# Allegro board 8880F5-0823__zarif.brd (continued)
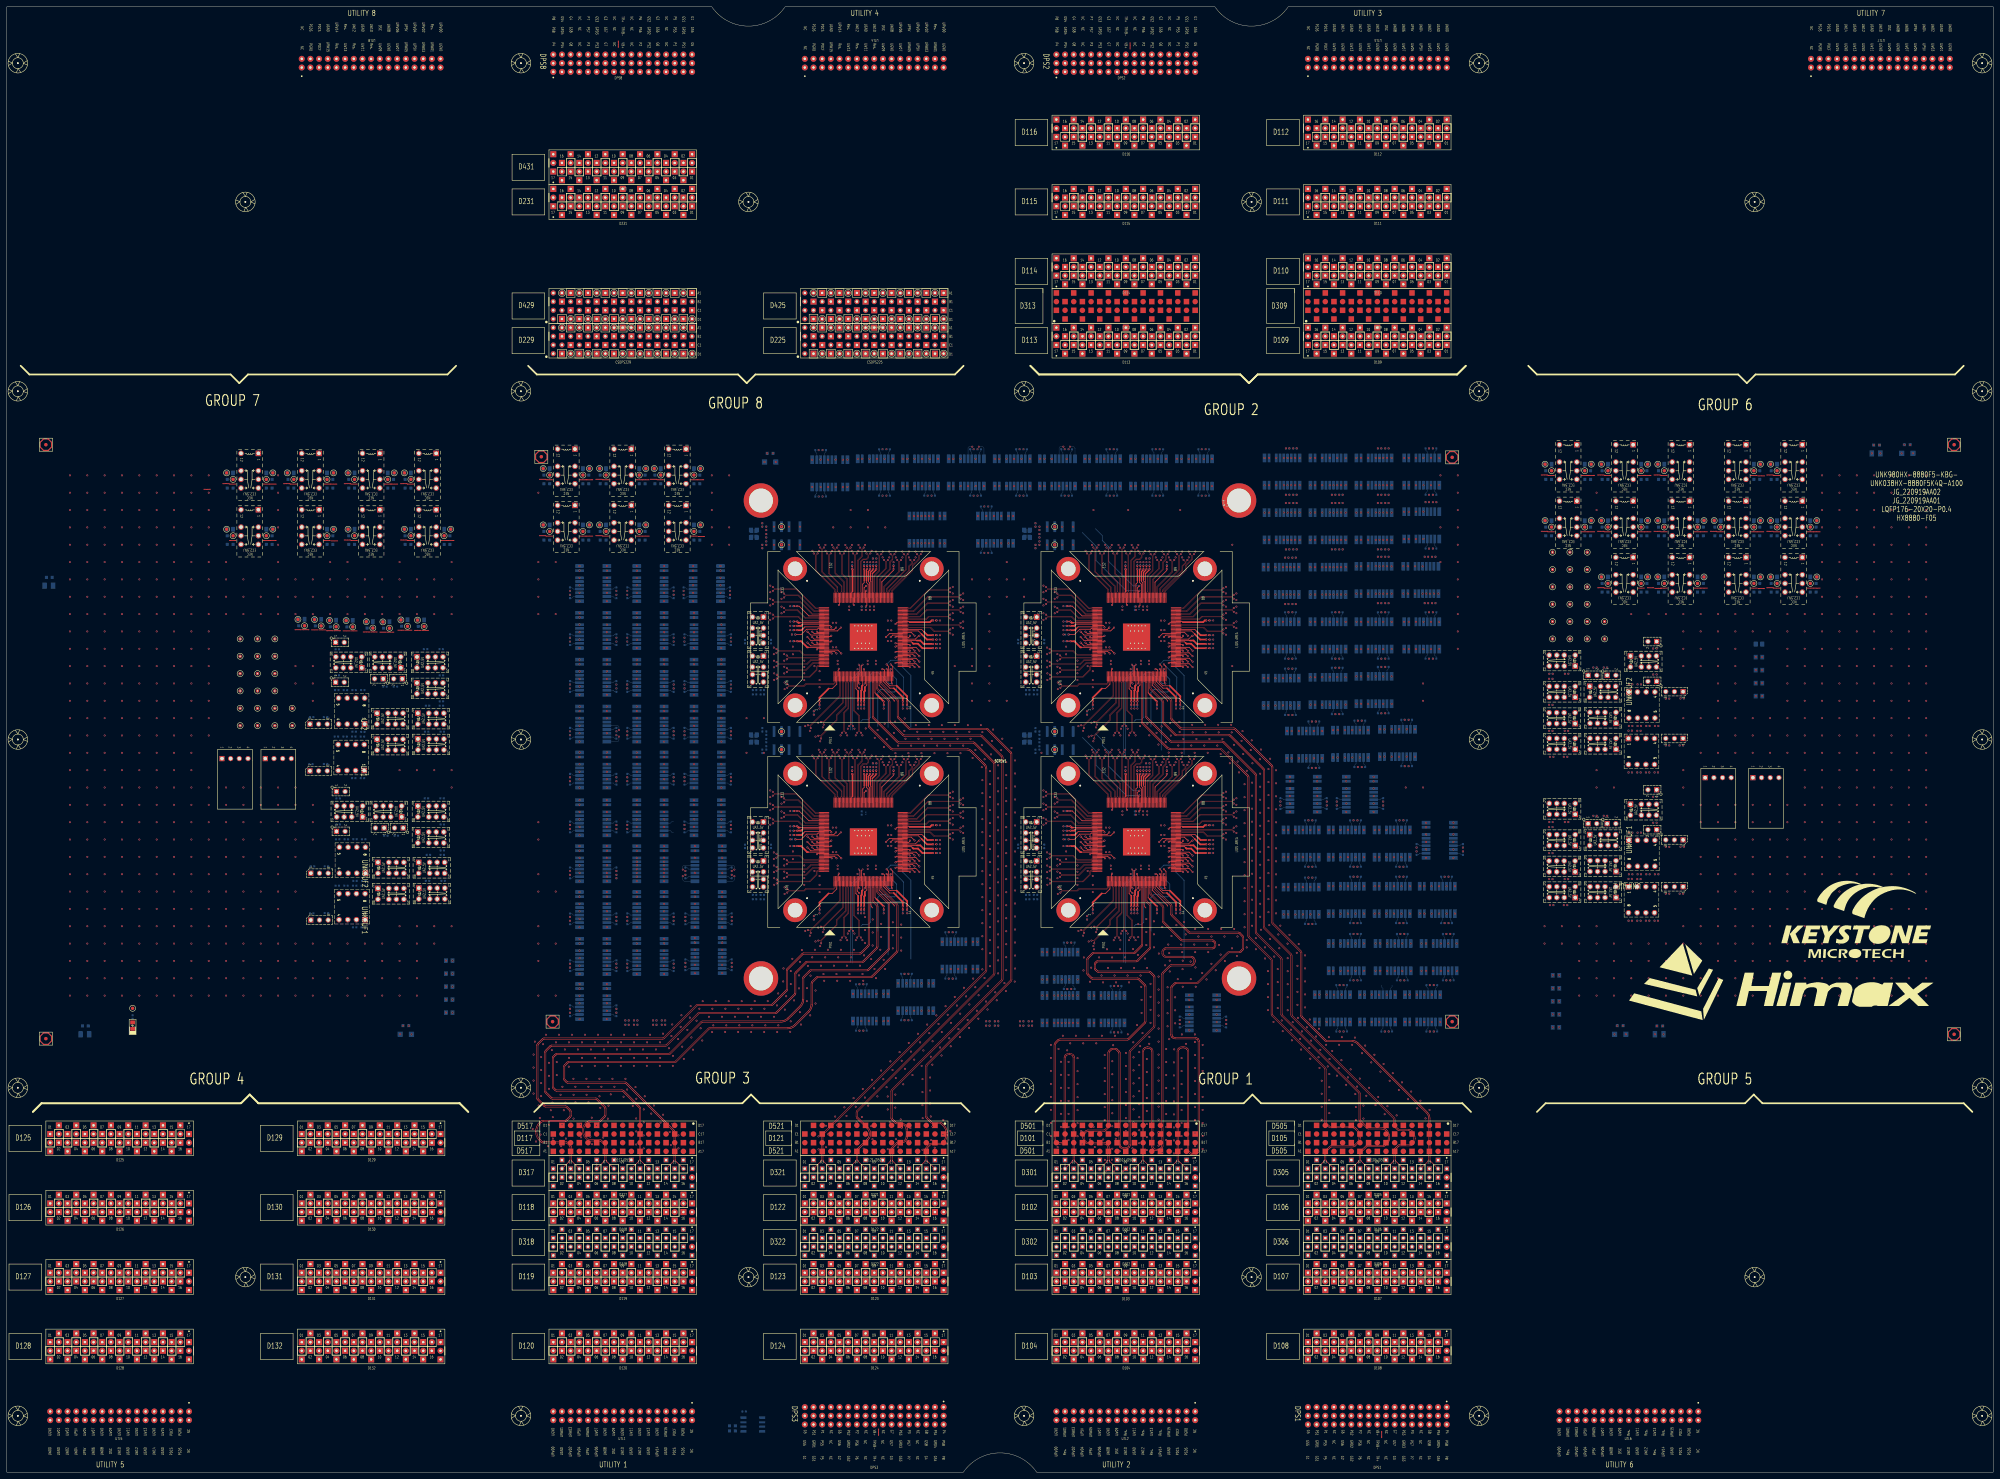
[diagram p0: board, top side]
## Routing (per net, layer and track width the routed paths; a pad name or vN(x,y) marks a point on that pad's centre or on a via; arc(x,y) is an arc through that point) (continued)
S3_AVDD18_RX: length 7.7
  TOP w0.231: SITE3.25 251.83,170.56 251.28,170.01
  TOP w0.508: 251.28,170.01 251.28,168.9 251.06,168.68 v1(251.06,165.75)
  vias: v1(251.06,163.71)
S3_DCH041: length 2.2
  TOP w0.231: SITE3.159 237.43,182.83 v1(237.23,183.03)
S3_DCH042: length 3.7
  TOP w0.231: SITE3.160 236.43,182.43 v1(235.83,183.03)
S3_DCH043: length 5.3
  TOP w0.231: v1(234.44,183.03) 235.44,182.03 SITE3.161
S3_DCH044: length 2.2
  TOP w0.231: v1(237.23,181.03) 237.43,181.23 SITE3.163
S3_DCH045: length 5.4
  TOP w0.231: v1(244.35,179.83) 243.35,180.83 SITE3.164
S3_DCH046: length 3.9
  TOP w0.231: SITE3.165 242.35,180.43 v1(242.95,179.83)
S3_DCH047: length 2.3
  TOP w0.231: v1(241.56,179.83) 241.36,180.03 SITE3.166
S3_DPS_F_001:
  vias: v1(190.24,131.06)
S3_DPS_F_002: length 10.1
  TOP w0.231: SITE3.3 243.03,170.86 241.72,169.55 240.65,169.55
  TOP w0.508: v1(237.98,165.75) 237.98,166.88 240.65,169.55
  vias: v1(236.32,162.9) v1(237.98,163.71)
S3_DPS_F_003: length 63.1
  TOP w0.231: SITE3.17 248.63,169.5 249.28,168.85 ; 251.69,201.16 251.69,200.65 252.23,200.11 SITE3.107 ; 267.84,185.53 266.94,186.43 SITE3.71 ; 259.73,169.66 258.57,169.66 256.63,171.59 SITE3.37 ; 265.2,182.93 264.9,183.23 SITE3.63 ; 234.63,181.63 SITE3.162 ; 232.83,188.18 233.08,188.43 SITE3.145
  TOP w0.381: v1(251.94,204.54) 251.69,204.28 251.69,201.16
  TOP w0.508: 265.2,182.93 265.45,182.68 266.8,182.68 268.11,181.37 v1(271.22,181.37) ; v1(231.44,187.93) 232.58,187.93 232.83,188.18 ; 259.73,169.66 262.36,167.02 v1(262.36,165.75) ; v1(249.28,165.75) 249.28,168.85 ; 267.84,185.53 269.46,183.91 v1(271.22,183.91) ; 234.63,181.63 234.37,181.63 232.59,183.41 v1(231.44,183.41)
  vias: v1(229.4,187.93) v1(229.4,183.41) v1(249.28,163.71) v1(251.94,206.58) v1(262.36,163.71) v1(273.27,183.91) v1(273.27,181.37)
S3_DPS_F_006: length 9.6
  TOP w0.231: SITE3.72 267.92,186.83 268.55,186.19
  TOP w0.508: 268.55,186.19 269.56,185.18 v1(271.22,185.18)
  vias: v1(259,186.67) v1(273.27,185.18)
S3_DPS_F_007: length 19
  TOP w0.231: 264.37,189.01 264.15,189.23 SITE3.78 ; v1(259.65,204.54) 259.65,204.13 256.23,200.71 SITE3.97
  TOP w0.508: 264.37,189.01 270.31,189.01 270.8,189.5 v1(271.22,189.5)
  vias: v1(259.65,206.58) v1(273.27,189.5)
S3_DPS_F_009: length 8.8
  TOP w0.231: 252.26,201.12 252.26,200.9 252.63,200.53 SITE3.106
  TOP w0.381: v1(252.83,204.54) 252.83,204.39 252.26,203.82 252.26,201.12
  vias: v1(252.83,206.58) v1(253.61,207.66)
S3_DPS_F_010: length 8.6
  TOP w0.231: SITE3.111 250.63,200.15 251.05,200.57 251.05,201.13
  TOP w0.381: 251.05,201.13 v1(251.05,204.54)
  vias: v1(251.05,206.58)
S3_DPS_F_011: length 17.6
  TOP w0.231: SITE3.119 247.43,197.79 247.64,198.01 ; v1(231.44,193.69) 232.01,193.69 234.87,190.83 SITE3.139
  TOP w0.508: 247.64,198.01 247.64,204.47 v1(247.57,204.54)
  vias: v1(229.4,193.69) v1(247.57,206.58)
S3_DPS_F_012: length 8
  TOP w0.231: 232.2,188.83 SITE3.144
  TOP w0.508: 232.2,188.83 231.81,188.83 v1(231.44,189.2)
  vias: v1(229.4,189.2)
S3_ISP00+: length 14.6
  TOP w0.086: SITE3.73 263.98,187.23 264.06,187.31 270.41,187.31 271.56,186.16 275.81,186.16 v1(276.24,185.73)
  vias: v1(184.47,178.86)
S3_ISP00-: length 14.6
  TOP w0.086: v1(276.24,186.87) 275.77,186.4 271.66,186.4 270.51,187.55 264.06,187.55 263.98,187.63 SITE3.74
  vias: v1(192.47,178.86)
S3_ISP14+: length 486.1
  TOP w0.086: SITE3.112 250.23,197.78 250.15,197.86 250.15,206.68 250.73,207.26 251.76,207.26 252.42,207.92 252.42,208.71 v1(252.86,209.15)
  L28_SIGNAL w0.071: v1(252.86,209.15) 252.39,208.68 252.39,207.97 251.93,207.51 235.72,207.51 232.36,210.88 225.71,210.88 223.87,209.04 215.84,209.04 214.98,208.18 111.66,208.18 106.23,202.75 106.23,166.13 109.7,162.66 161.93,162.66 163.82,160.77 184.44,160.77 189.24,165.57 196.32,165.57 197.96,167.21 205.44,167.21 211.73,160.92 214.06,160.92 215.08,161.94 215.08,165.89 211.8,169.17 132.01,169.17 129.97,171.21 129.97,175.84 133.17,179.03 179.47,179.03 182.98,175.52 182.98,173.56 183.99,172.55 188.16,172.55 188.68,173.07 188.68,174.22 188.45,174.46 v1(184.47,174.46)
S3_ISP14-: length 486.1
  TOP w0.086: v1(251.72,209.15) 252.18,208.69 252.18,208.02 251.66,207.5 250.63,207.5 249.91,206.78 249.91,197.86 249.83,197.78 SITE3.113
  L28_SIGNAL w0.071: v1(251.72,209.15) 252.19,208.68 252.19,208.05 251.85,207.71 235.81,207.71 232.44,211.08 225.63,211.08 223.79,209.24 215.76,209.24 214.9,208.38 111.58,208.38 106.03,202.83 106.03,166.05 109.61,162.47 161.84,162.47 163.74,160.57 184.52,160.57 189.33,165.37 196.4,165.37 198.04,167.02 205.35,167.02 211.65,160.72 214.14,160.72 215.28,161.86 215.28,165.97 211.88,169.37 132.09,169.37 130.17,171.29 130.17,175.76 133.25,178.84 179.39,178.84 182.78,175.44 182.78,173.48 183.91,172.35 188.24,172.35 188.88,172.99 188.88,174.21 189.13,174.46 v1(192.47,174.46)
S3_M_DPS_F_001: length 45.2
  TOP w0.231: SITE3.39 257.43,171.49 258.54,170.37 260.57,170.37 ; SITE3.147 233.7,187.63 233.24,187.18 ; 266.49,183.63 SITE3.64 ; 250.63,170.54 SITE3.22 ; SITE3.104 253.43,203.21
  TOP w0.381: v1(254.61,204.54) 254.61,204.39 253.43,203.21
  TOP w0.508: v1(231.44,186.66) 232.72,186.66 233.24,187.18 ; v1(250.17,165.75) 250.17,168.96 250.38,169.17 250.38,170.28 250.63,170.54 ; v1(263.63,165.75) 263.63,167.31 260.57,170.37 ; v1(271.22,182.64) 268.48,182.64 267.49,183.63 266.49,183.63
  vias: v1(229.4,186.66) v1(250.17,163.71) v1(254.61,206.58) v1(263.63,163.71) v1(273.27,182.64)
S3_PS9G_DCH001: length 3.7
  TOP w0.231: SITE3.18 249.03,170.23 v1(249.63,169.63)
S3_PS9G_DCH002: length 2.2
  TOP w0.231: SITE3.19 249.43,171.23 v1(249.63,171.03)
S3_PS9G_DCH003: length 2.2
  TOP w0.231: SITE3.24 251.43,171.23 v1(251.23,171.03)
S3_PS9G_DCH004: length 2.2
  TOP w0.231: v1(257.63,175.23) 257.83,175.03 SITE3.40
S3_PS9G_DCH005: length 2.2
  TOP w0.231: SITE3.45 264.23,176.03 v1(264.43,175.83)
S3_PS9G_DCH006: length 3.7
  TOP w0.231: SITE3.46 265.23,176.43 v1(265.83,175.83)
S3_PS9G_DCH007: length 5.3
  TOP w0.231: SITE3.47 266.22,176.83 v1(267.23,175.83)
S3_PS9G_DCH009: length 2.2
  TOP w0.231: v1(264.43,177.43) 264.23,177.63 SITE3.49
S3_PS9G_DCH010: length 3.7
  TOP w0.231: SITE3.50 265.23,178.03 v1(265.83,177.43)
S3_PS9G_DCH011: length 5.3
  TOP w0.231: SITE3.51 266.22,178.43 v1(267.23,177.43)
S3_PS9G_DCH014: length 3.7
  TOP w0.231: v1(265.83,179.03) 265.23,179.63 SITE3.54
S3_PS9G_DCH015: length 5.3
  TOP w0.231: v1(267.23,179.03) 266.22,180.03 SITE3.55
S3_PS9G_DCH022: length 5.3
  TOP w0.231: SITE3.65 266.05,184.03 267.05,185.03 v1(267.23,185.03)
S3_PS9G_DCH023: length 2.5
  TOP w0.231: v1(264.43,185.03) 264.43,184.83 264.03,184.43 SITE3.66
S3_PS9G_DCH027: length 3.9
  TOP w0.231: v1(265.83,185.03) 264.83,186.03 SITE3.70
S3_PS9G_DCH028: length 2.3
  TOP w0.231: v1(260.23,188.46) 260.6,188.83 SITE3.77
S3_PS9G_DCH030: length 9.2
  TOP w0.231: SITE3.148 237.62,187.23 237.3,186.91 234.16,186.91 232.63,185.39 v1(230.91,185.39)
S3_PS9G_DCH035: length 5.3
  TOP w0.231: v1(234.44,186.23) 235.44,185.23 SITE3.153
S3_PS9G_DCH036: length 2.2
  TOP w0.231: SITE3.154 241.23,184.83 v1(241.43,185.03)
S3_PS9G_DCH037: length 2.2
  TOP w0.231: v1(237.23,184.63) 237.43,184.43 SITE3.155
S3_PS9G_DCH038: length 3.7
  TOP w0.231: SITE3.156 236.43,184.03 v1(235.83,184.63)
S3_PS9G_DCH039: length 5.3
  TOP w0.231: v1(234.44,184.63) 235.44,183.63 SITE3.157
S3_PS9G_DCH040: length 2.2
  TOP w0.231: v1(241.43,183.43) 241.23,183.23 SITE3.158
S3_RLY_001:
  vias: v1(256.73,140.14) v1(282.9,155.38)
S3_RLY_003:
  vias: v1(167.7,182.06) v1(269.94,143.19)
S3_RLY_005:
  vias: v1(184.47,222.95) v1(201.23,222.95)
S3_RLY_007:
  vias: v1(184.47,209.49)
S3_RLY_008:
  vias: v1(167.7,209.49) v1(184.47,195.52)
S3_RLY_016:
  vias: v1(167.7,195.52) v1(201.23,209.49)
S3_RLY_021:
  vias: v1(167.7,168.6) v1(201.23,195.52)
S3_RLY_022:
  vias: v1(184.47,154.88) v1(201.49,155.13)
S3_RLY_023:
  vias: v1(167.7,141.67)
S3_RLY_025:
  vias: v1(201.49,182.06) v1(201.49,168.6)
S3_RLY_026:
  vias: v1(184.47,168.6)
S3_RLY_030:
  vias: v1(167.7,154.88)
S3_RLY_043:
  vias: v1(184.47,182.06)
S3_SCAN_DCH008: length 2.2
  TOP w0.231: SITE3.48 260.43,177.23 v1(260.23,177.03)
S3_SCAN_DCH012: length 2.2
  TOP w0.231: SITE3.52 260.43,178.83 v1(260.23,178.63)
S3_SCAN_DCH013: length 2.2
  TOP w0.231: SITE3.53 264.23,179.23 v1(264.43,179.03)
S3_SCAN_DCH016: length 2.2
  TOP w0.231: v1(260.23,180.23) 260.43,180.43 SITE3.56
S3_SCAN_DCH017: length 2.2
  TOP w0.231: v1(264.43,180.63) 264.23,180.83 SITE3.57
S3_SCAN_DCH018: length 3.7
  TOP w0.231: SITE3.58 265.23,181.23 v1(265.83,180.63)
S3_SCAN_DCH019: length 5.3
  TOP w0.231: v1(267.23,180.63) 266.22,181.63 SITE3.59
S3_SCAN_DCH020: length 2.2
  TOP w0.231: v1(260.23,181.83) 260.43,182.03 SITE3.60
S3_SCAN_DCH021: length 2.2
  TOP w0.231: SITE3.61 264.23,182.43 v1(264.43,182.23)
S3_SCAN_DCH024: length 2.2
  TOP w0.231: v1(260.23,184.63) 260.43,184.83 SITE3.67
S3_SCAN_DCH025: length 3.7
  TOP w0.231: SITE3.68 259.43,185.23 v1(258.83,184.63)
S3_SCAN_DCH026: length 5.3
  TOP w0.231: v1(257.44,184.63) 258.44,185.63 SITE3.69
S3_SCAN_DCH031: length 3.7
  TOP w0.231: v1(242.83,187.43) 242.23,186.83 SITE3.149
S3_SCAN_DCH032: length 5.3
  TOP w0.231: v1(244.22,187.43) 243.22,186.43 SITE3.150
S3_SCAN_DCH033: length 2.2
  TOP w0.231: v1(237.23,186.23) 237.43,186.03 SITE3.151
S3_SCAN_DCH034: length 3.7
  TOP w0.231: v1(235.83,186.23) 236.43,185.63 SITE3.152
S3_SPI_CSN: length 25.9
  TOP w0.231: v1(259.23,171.03) 259.03,171.23 SITE3.43
  BOTTOM w0.231: v1(259.23,171.03) 258.4,171.03 255.17,174.25 253.58,174.25 252.91,173.59 252.91,161.11 252.25,160.44 250.61,160.44 250.11,159.95
S3_SPI_SCK: length 25.3
  TOP w0.231: v1(258.83,175.23) 258.63,175.03 SITE3.42
  BOTTOM w0.231: v1(258.83,175.23) 258.83,173.98 260.53,172.28 260.53,169.11 259.96,168.54 257.9,168.54 257.17,169.27 255.92,169.27 255.03,168.39 255.03,158.48
S3_SPI_SDI: length 34.1
  TOP w0.231: v1(258.83,176.63) 259.43,176.03 SITE3.44
  BOTTOM w0.231: 258.07,151.53 258.07,166.28 258.85,167.06 262.04,167.06 262.6,167.63 262.6,172.86 v1(258.83,176.63)
S3_SPI_SDO: length 37
  TOP w0.231: SITE3.41 258.23,176.03 v1(257.63,176.63)
  BOTTOM w0.231: 264.72,150.32 264.72,173.4 262.29,175.83 262.29,177.04 261.5,177.83 258.83,177.83 v1(257.63,176.63)
S3_XTAL_OUT: length 3.7
  TOP w0.231: SITE3.110 251.03,199.03 v1(251.63,199.63)
S4_1TX_100DCH001+: length 205.1
  L30_SIGNAL w0.071: v1(310.01,131.64) 310.01,135.13 309.6,135.54 300.73,135.54 300.04,136.22 300.04,139.65 303.19,142.79 313.69,142.79 317.71,146.81 339.16,146.81 340.59,148.24 344.46,148.24 350.43,142.28 350.43,140.07 353.41,137.09 355.95,137.09 357.01,138.14 388.53,138.14 401.59,125.08 416.34,125.08 426.91,135.65 426.91,167.62 421.5,173.04 421.5,173.96 v1(421.02,174.43)
S4_1TX_100DCH001-: length 204.8
  L30_SIGNAL w0.071: v1(422.17,174.43) 421.7,173.96 421.7,173.12 427.11,167.7 427.11,135.57 416.43,124.88 401.51,124.88 388.45,137.94 357.09,137.94 356.03,136.89 353.33,136.89 350.23,139.99 350.23,142.2 344.38,148.05 340.67,148.05 339.24,146.61 317.79,146.61 313.77,142.6 303.27,142.6 300.24,139.56 300.24,136.3 300.81,135.74 309.59,135.74 310.01,136.15 v1(310.01,139.64)
S4_1TX_100DCH002+: length 108.9
  TOP w0.086: v1(359.29,187.66) 358.84,188.11 344.06,188.11 343.98,188.03 SITE4.75
  L30_SIGNAL w0.071: v1(421.02,160.85) 421.5,161.32 421.5,162.24 421.07,162.68 418.82,162.68 418.3,162.16 418.3,159.59 414.98,156.26 405.77,156.26 399.36,162.67 399.36,179.96 397.46,181.87 367.79,181.87 361.53,188.13 359.76,188.13 v1(359.29,187.66)
S4_1TX_100DCH002-: length 109.2
  TOP w0.086: v1(359.29,188.8) 358.84,188.35 344.06,188.35 343.98,188.43 SITE4.76
  L30_SIGNAL w0.071: v1(359.29,188.8) 359.76,188.33 361.61,188.33 367.87,182.06 397.54,182.06 399.56,180.05 399.56,162.76 405.86,156.46 414.9,156.46 418.11,159.67 418.11,162.24 418.74,162.87 421.15,162.87 421.7,162.32 421.7,161.31 v1(422.17,160.85)
S4_1TX_100DCH003+: length 92.2
  TOP w0.086: SITE4.79 343.98,189.63 344.06,189.71 349.2,189.71 350.02,190.53 355.8,190.53 v1(356.24,190.09)
  L30_SIGNAL w0.071: v1(356.24,190.09) 356.72,190.56 360.96,190.56 364.01,187.51 367.44,187.51 370.8,184.16 400.14,184.16 403.03,181.26 403.03,163.46 406.43,160.06 407.87,160.06 408.54,159.38 408.54,158.14 v1(408.07,157.67)
S4_1TX_100DCH003-: length 92.6
  TOP w0.086: v1(356.24,191.23) 355.78,190.77 349.92,190.77 349.1,189.95 344.06,189.95 343.98,190.03 SITE4.80
  L30_SIGNAL w0.071: v1(356.24,191.23) 356.72,190.76 361.04,190.76 364.09,187.71 367.52,187.71 370.88,184.35 400.22,184.35 403.23,181.35 403.23,163.54 406.51,160.25 407.95,160.25 408.74,159.46 408.74,158.14 v1(409.21,157.67)
S4_1TX_100DCH004+: length 139.3
  TOP w0.086: v1(359.29,192.02) 358.8,192.51 349.46,192.51 347.46,190.51 344.06,190.51 343.98,190.43 SITE4.81
  L30_SIGNAL w0.071: v1(359.29,192.02) 359.76,192.49 366.48,192.49 373.31,185.66 406.99,185.66 411.46,181.18 411.46,171.91 414.42,168.95 422.08,168.95 425.63,165.4 425.63,154.24 423.35,151.96 408.78,151.96 407.35,150.53 407.35,146.59 408.54,145.4 408.54,144.55 v1(408.07,144.08)
S4_1TX_100DCH004-: length 139.6
  TOP w0.086: v1(359.29,193.16) 358.88,192.75 349.36,192.75 347.37,190.75 344.06,190.75 343.98,190.83 SITE4.82
  L30_SIGNAL w0.071: v1(409.21,144.08) 408.74,144.55 408.74,145.48 407.55,146.67 407.55,150.45 408.86,151.76 423.43,151.76 425.82,154.16 425.82,165.48 422.16,169.15 414.5,169.15 411.66,171.99 411.66,181.26 407.07,185.85 373.39,185.85 366.56,192.69 359.76,192.69 v1(359.29,193.16)
S4_1TX_100DCH005+: length 279.3
  TOP w0.086: v1(356.24,193.95) 355.8,194.39 349.61,194.39 346.53,191.31 344.06,191.31 343.98,191.23 SITE4.83
  L30_SIGNAL w0.071: v1(324.25,142.43) 324.72,141.96 324.72,140.98 325.53,140.17 328.46,140.17 331.92,143.64 344.44,143.64 347.85,140.23 347.85,130.22 352.85,125.22 384.09,125.22 385.18,124.13 396.88,124.13 397.94,123.07 416.57,123.07 428.52,135.03 428.52,189.59 426.43,191.68 412.67,191.68 410.09,189.1 379.69,189.1 377.34,191.45 370.55,191.45 366.32,195.68 362.8,195.68 361.81,194.69 359.32,194.69 357.4,196.62 355.4,196.62 354.77,195.98 354.77,194.95 355.29,194.42 355.77,194.42 v1(356.24,193.95)
S4_1TX_100DCH005-: length 277.7
  TOP w0.086: SITE4.84 343.98,191.63 344.06,191.55 346.43,191.55 349.51,194.63 355.78,194.63 v1(356.24,195.09)
  L30_SIGNAL w0.071: v1(356.24,195.09) 355.77,194.62 355.38,194.62 354.97,195.03 354.97,195.9 355.48,196.42 357.31,196.42 359.24,194.49 361.9,194.49 362.88,195.48 366.24,195.48 370.47,191.25 377.26,191.25 379.61,188.9 410.17,188.9 412.75,191.49 426.35,191.49 428.32,189.51 428.32,135.11 416.49,123.27 398.02,123.27 396.96,124.33 385.27,124.33 384.17,125.42 352.93,125.42 348.05,130.31 348.05,140.31 344.52,143.84 331.84,143.84 328.37,140.37 325.61,140.37 324.92,141.06 324.92,141.96 v1(325.39,142.43)
S4_1TX_100DCH006+: length 269.7
  TOP w0.086: v1(359.29,195.88) 358.81,196.36 349.82,196.36 345.58,192.11 344.06,192.11 343.98,192.03 SITE4.85
  L30_SIGNAL w0.071: v1(324.25,128.84) 324.72,129.31 324.72,130.02 325.59,130.88 327.71,130.88 337.17,121.42 342.01,121.42 343.71,119.71 394.81,119.71 395.8,118.72 415.6,118.72 429.44,132.56 429.44,190.56 427.07,192.93 412.66,192.93 409.24,189.5 380.1,189.5 377.66,191.95 370.78,191.95 366.37,196.35 359.76,196.35 v1(359.29,195.88)
S4_1TX_100DCH006-: length 270
  TOP w0.086: SITE4.86 343.98,192.43 344.06,192.35 345.48,192.35 349.73,196.6 358.87,196.6 v1(359.29,197.02)
  L30_SIGNAL w0.071: v1(325.39,128.84) 324.92,129.31 324.92,129.94 325.67,130.68 327.63,130.68 337.09,121.22 341.92,121.22 343.63,119.51 394.73,119.51 395.72,118.53 415.68,118.53 429.64,132.48 429.64,190.64 427.15,193.13 412.58,193.13 409.15,189.7 380.19,189.7 377.74,192.15 370.86,192.15 366.46,196.55 359.76,196.55 v1(359.29,197.02)
S4_1TX_100DCH007+: length 109.3
  TOP w0.086: SITE4.87 343.98,192.83 344.06,192.91 344.57,192.91 349.88,198.23 355.83,198.23 v1(356.24,197.81)
  L30_SIGNAL w0.071: v1(356.24,197.81) 356.72,198.28 362.95,198.28 363.85,199.18 376.1,199.18 379.88,195.39 379.88,190.79 380.51,190.16 386.08,190.16 388.83,192.9 388.83,206.13 387.14,207.82 387.14,209.63 389.74,212.23 403.31,212.23 406.57,215.5 406.57,222.52 407.28,223.23 408.72,223.23 409.81,222.14 409.81,220.88 v1(409.34,220.41)
S4_1TX_100DCH007-: length 109.6
  TOP w0.086: v1(356.24,198.95) 355.76,198.47 349.78,198.47 344.47,193.15 344.06,193.15 343.98,193.23 SITE4.88
  L30_SIGNAL w0.071: v1(356.24,198.95) 356.72,198.48 362.87,198.48 363.77,199.37 376.18,199.37 380.08,195.48 380.08,190.87 380.59,190.36 386,190.36 388.63,192.99 388.63,206.05 386.94,207.74 386.94,209.71 389.66,212.43 403.23,212.43 406.38,215.58 406.38,222.61 407.2,223.43 408.8,223.43 410.01,222.22 410.01,220.88 v1(410.48,220.41)
S4_2AUX+:
  vias: v1(300.22,132.08) v1(300.22,130.81)
S4_2AUX-:
  vias: v1(296.68,130.81) v1(297.68,132.08)
S4_2TX_100DCH001+: length 85.5
  TOP w0.086: v1(347.64,208.93) 347.21,208.5 347.21,207.41 345.32,205.52 345.32,204.13 339.35,198.16 339.35,197.86 339.43,197.78 SITE4.89
  L32_SIGNAL w0.071: v1(409.34,206.82) 409.81,207.29 409.81,208.53 405.73,212.61 364.3,212.61 363.28,211.59 347.69,211.59 347.17,211.08 347.17,209.4 v1(347.64,208.93)
S4_2TX_100DCH001-: length 86.2
  TOP w0.086: SITE4.90 339.03,197.78 339.11,197.86 339.11,198.26 345.08,204.23 345.08,205.62 346.97,207.51 346.97,208.46 v1(346.5,208.93)
  L32_SIGNAL w0.071: v1(346.5,208.93) 346.97,209.4 346.97,211.16 347.61,211.79 363.2,211.79 364.22,212.81 405.81,212.81 410.01,208.61 410.01,207.29 v1(410.48,206.82)
S4_2TX_100DCH002+: length 156
  TOP w0.086: v1(345.72,207.21) 345.28,206.78 345.28,206.31 344.35,205.37 344.35,204.04 338.55,198.23 338.55,197.86 338.63,197.78 SITE4.91
  L32_SIGNAL w0.071: v1(345.72,207.21) 345.24,206.74 345.24,200.23 349.01,196.47 357.38,196.47 360.61,199.7 420.47,199.7 427.29,192.87 427.29,154.49 426.35,153.55 424.45,153.55 422,155.99 422,157.2 v1(421.53,157.67)
S4_2TX_100DCH002-: length 155.3
  TOP w0.086: SITE4.92 338.23,197.78 338.31,197.86 338.31,198.33 344.11,204.13 344.11,205.47 345.04,206.4 345.04,206.74 v1(344.57,207.21)
  L32_SIGNAL w0.071: v1(422.68,157.67) 422.2,157.2 422.2,156.07 424.53,153.74 426.27,153.74 427.09,154.57 427.09,192.79 420.38,199.5 360.69,199.5 357.46,196.27 348.93,196.27 345.04,200.15 345.04,206.74 v1(344.57,207.21)
S4_2TX_100DCH003+: length 170.6
  TOP w0.086: v1(343.79,208.93) 343.34,208.49 343.34,204.27 337.75,198.68 337.75,197.86 337.83,197.78 SITE4.93
  L32_SIGNAL w0.071: v1(343.79,208.93) 343.31,209.4 343.31,211.69 347.22,215.59 369.91,215.59 371.28,214.22 415.42,214.22 427.98,201.66 427.98,151.53 422.01,145.55 422.01,144.56 v1(421.53,144.08)
S4_2TX_100DCH003-: length 171.3
  TOP w0.086: SITE4.94 337.43,197.78 337.51,197.86 337.51,198.78 343.1,204.37 343.1,208.47 v1(342.64,208.93)
  L32_SIGNAL w0.071: v1(422.68,144.08) 422.21,144.55 422.21,145.47 428.18,151.44 428.18,201.75 415.51,214.42 371.37,214.42 369.99,215.79 347.14,215.79 343.12,211.77 343.12,209.4 v1(342.64,208.93)
S4_2TX_100DCH004+: length 223.6
  TOP w0.086: SITE4.95 337.03,197.78 336.95,197.86 336.95,199.28 341.41,203.74 341.41,206.77 v1(341.86,207.21)
  L32_SIGNAL w0.071: v1(341.86,207.21) 341.38,207.69 341.38,213.27 345.79,217.68 372.38,217.68 374.24,215.82 417.29,215.82 430.69,202.43 430.69,148.86 424.94,143.11 420.96,143.11 419.04,145.03 419.04,155.07 417.43,156.68 403.74,156.68 400.33,160.09 395.84,160.09 394.83,159.08 394.83,158.14 v1(394.35,157.67)
S4_2TX_100DCH004-: length 224.3
  TOP w0.086: v1(340.71,207.21) 341.17,206.75 341.17,203.84 336.71,199.38 336.71,197.86 336.63,197.78 SITE4.96
  L32_SIGNAL w0.071: v1(340.71,207.21) 341.19,207.69 341.19,213.36 345.71,217.88 372.46,217.88 374.32,216.02 417.37,216.02 430.88,202.51 430.88,148.78 425.02,142.91 420.87,142.91 418.84,144.95 418.84,154.99 417.35,156.48 403.66,156.48 400.25,159.9 395.92,159.9 395.02,159 395.02,158.14 v1(395.5,157.67)
S4_2TX_100DCH005+: length 234.1
  TOP w0.086: SITE4.98 335.83,197.78 335.75,197.86 335.75,201.48 338.7,204.43 338.7,206.53 339.46,207.3 339.46,208.47 v1(339.93,208.93)
  L32_SIGNAL w0.071: v1(339.93,208.93) 339.45,209.4 339.45,212.46 338.49,213.43 338.49,216.25 340.43,218.19 419,218.19 433.21,203.98 433.21,145.78 425.99,138.56 401.79,138.56 400.81,139.53 400.81,145.75 398.21,148.36 397.41,148.36 394.83,145.77 394.83,144.55 v1(394.35,144.08)
S4_2TX_100DCH005-: length 234.8
  TOP w0.086: SITE4.99 335.43,197.78 335.51,197.86 335.51,201.58 338.46,204.53 338.46,206.63 339.22,207.4 339.22,208.49 v1(338.78,208.93)
  L32_SIGNAL w0.071: v1(338.78,208.93) 339.26,209.4 339.26,212.38 338.29,213.35 338.29,216.33 340.35,218.39 419.09,218.39 433.41,204.06 433.41,145.7 426.07,138.36 401.7,138.36 400.62,139.45 400.62,145.67 398.12,148.16 397.49,148.16 395.02,145.69 395.02,144.55 v1(395.5,144.08)
S4_2TX_100DCH006+: length 117.6
  TOP w0.086: v1(338,207.21) 337.55,206.76 337.55,204.67 334.95,202.07 334.95,197.86 335.03,197.78 SITE4.100
  L32_SIGNAL w0.071: v1(338,207.21) 337.53,206.74 337.53,201.61 339.26,199.88 344.12,199.88 350.99,193.01 357.54,193.01 359.63,190.93 360.86,190.93 362.13,192.2 372.95,192.2 374.85,190.29 392.01,190.29 393.71,192 415.23,192 424.72,182.52 425.93,182.52 v1(426.4,182.99)
S4_2TX_100DCH006-: length 118
  TOP w0.086: SITE4.101 334.63,197.78 334.71,197.86 334.71,202.17 337.31,204.77 337.31,206.76 v1(336.85,207.21)
  L32_SIGNAL w0.071: v1(426.4,181.84) 425.93,182.32 424.63,182.32 415.15,191.8 393.79,191.8 392.09,190.1 374.77,190.1 372.87,192 362.21,192 360.94,190.73 359.55,190.73 357.46,192.82 350.91,192.82 344.04,199.68 339.18,199.68 337.33,201.53 337.33,206.74 v1(336.85,207.21)
S4_2TX_100DCH007+: length 109.2
  TOP w0.086: SITE4.102 334.23,197.78 334.15,197.86 334.15,202.58 335.64,204.07 335.64,208.51 v1(336.07,208.93)
  L32_SIGNAL w0.071: v1(336.07,208.93) 335.6,208.46 335.6,202.4 338.86,199.14 343.59,199.14 350.37,192.37 357.44,192.37 359.41,190.4 361.14,190.4 362.46,191.71 367.12,191.71 369.32,189.52 404.36,189.52 405.49,188.39 405.49,184.75 407.75,182.5 412.32,182.5 v1(412.81,182.99)
S4_2TX_100DCH007-: length 109.6
  TOP w0.086: v1(334.93,208.93) 335.4,208.46 335.4,204.17 333.91,202.68 333.91,197.86 333.83,197.78 SITE4.103
  L32_SIGNAL w0.071: v1(334.93,208.93) 335.4,208.46 335.4,202.32 338.77,198.94 343.51,198.94 350.28,192.17 357.36,192.17 359.33,190.2 361.23,190.2 362.54,191.52 367.04,191.52 369.23,189.32 404.28,189.32 405.3,188.3 405.3,184.67 407.67,182.3 412.36,182.3 v1(412.81,181.84)
S4_3TX_100DCH002+: length 197.4
  TOP w0.086: v1(330.93,210.87) 330.46,210.4 330.46,208.18 329.35,207.06 329.35,197.86 329.43,197.78 SITE4.114
  L30_SIGNAL w0.071: v1(330.93,210.87) 330.46,210.4 330.46,203.29 346.84,186.9 353.69,186.9 359.47,181.12 395.32,181.12 398.7,177.74 398.7,146.26 402.3,142.66 412.68,142.66 414.37,144.35 419.12,144.35 420.76,142.71 420.76,138.95 418.5,136.7 402.67,136.7 400.84,134.86 400.84,127.24 401.62,126.45 403.4,126.45 403.98,127.04 403.98,128.61 v1(403.5,129.1)
S4_3TX_100DCH002-: length 198
  TOP w0.086: v1(329.79,210.87) 330.22,210.43 330.22,208.28 329.11,207.16 329.11,197.86 329.03,197.78 SITE4.115
  L30_SIGNAL w0.071: v1(404.64,129.1) 404.18,128.64 404.18,126.95 403.48,126.25 401.54,126.25 400.64,127.15 400.64,134.94 402.59,136.9 418.42,136.9 420.56,139.04 420.56,142.63 419.03,144.16 414.45,144.16 412.76,142.47 402.21,142.47 398.5,146.18 398.5,177.66 395.23,180.92 359.39,180.92 353.61,186.7 346.76,186.7 330.26,203.2 330.26,210.4 v1(329.79,210.87)
S4_3TX_100DCH003+: length 92.3
  TOP w0.086: v1(328.93,209.15) 328.55,208.77 328.55,197.86 328.63,197.78 SITE4.116
  L30_SIGNAL w0.071: v1(381.15,190.94) 381.55,190.94 381.62,191.02 381.62,199.41 379.48,201.55 379.48,210.1 374.52,215.06 359.65,215.06 358.11,213.51 344.13,213.51 343.09,214.54 330.34,214.54 328.46,212.66 328.46,209.62 v1(328.93,209.15)
S4_3TX_100DCH003-: length 93
  TOP w0.086: SITE4.117 328.23,197.78 328.31,197.86 328.31,208.63 v1(327.79,209.15)
  L30_SIGNAL w0.071: v1(382.29,190.94) 381.89,190.94 381.82,191.02 381.82,199.49 379.68,201.63 379.68,210.18 374.61,215.25 359.57,215.25 358.02,213.71 344.21,213.71 343.18,214.74 330.26,214.74 328.26,212.75 328.26,209.62 v1(327.79,209.15)
S4_3TX_100DCH004+: length 94.9
  TOP w0.086: v1(327.07,210.87) 326.61,210.41 326.61,202.62 326.95,202.28 326.95,197.86 327.03,197.78 SITE4.120
  L30_SIGNAL w0.071: v1(381.15,177.36) 381.62,176.88 381.62,175.67 380.87,174.92 373.86,174.92 371.84,176.94 353.3,176.94 348.43,181.8 346.06,181.8 342.91,184.95 342.91,189.2 340.99,191.13 337.77,191.13 326.6,202.3 326.6,210.4 v1(327.07,210.87)
S4_3TX_100DCH004-: length 95.6
  TOP w0.086: v1(325.93,210.87) 326.38,210.42 326.38,202.52 326.71,202.19 326.71,197.86 326.63,197.78 SITE4.121
  L30_SIGNAL w0.071: v1(325.93,210.87) 326.4,210.4 326.4,202.22 337.69,190.93 340.91,190.93 342.72,189.12 342.72,184.87 345.98,181.6 348.35,181.6 353.21,176.74 371.76,176.74 373.78,174.72 380.96,174.72 381.82,175.58 381.82,176.88 v1(382.29,177.36)
S4_3TX_100DCH005+: length 118.5
  TOP w0.086: v1(325.14,209.15) 324.69,208.7 324.69,203.17 326.15,201.71 326.15,197.86 326.23,197.78 SITE4.122